# Altium PCB Copy of LB-word-PCB-bk.PcbDoc (part 1 of 4)
Units mm, origin at the board's own origin, x right, y up, seen from the top; angles counter-clockwise.
Board outline 400 x 70 mm, 4 copper layers (Top Layer, Signal Layer 1, Signal Layer 2, Bottom Layer), stack 0.778 mm thick; 409 components, 277 nets, 1589 pads, 784 vias.
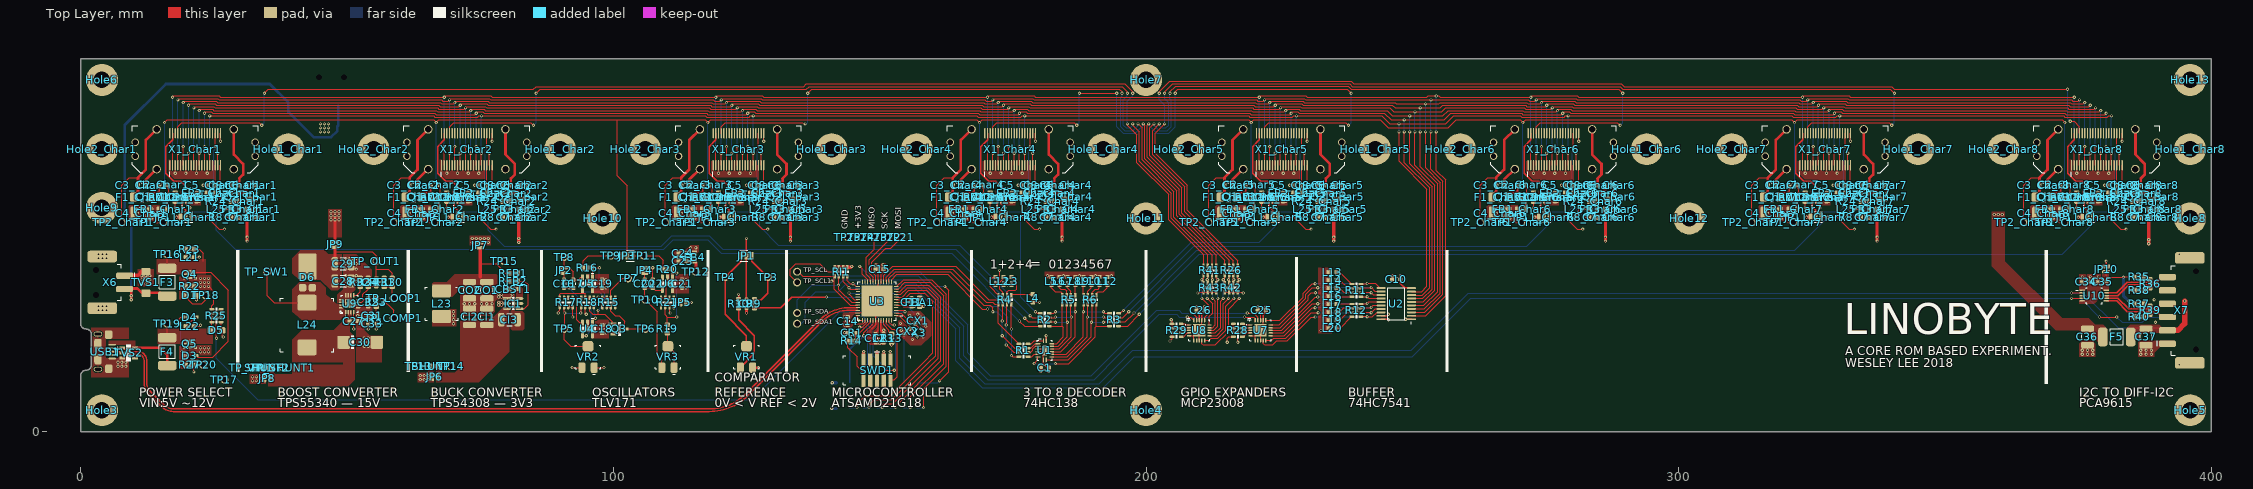
[diagram p0: Top Layer view]
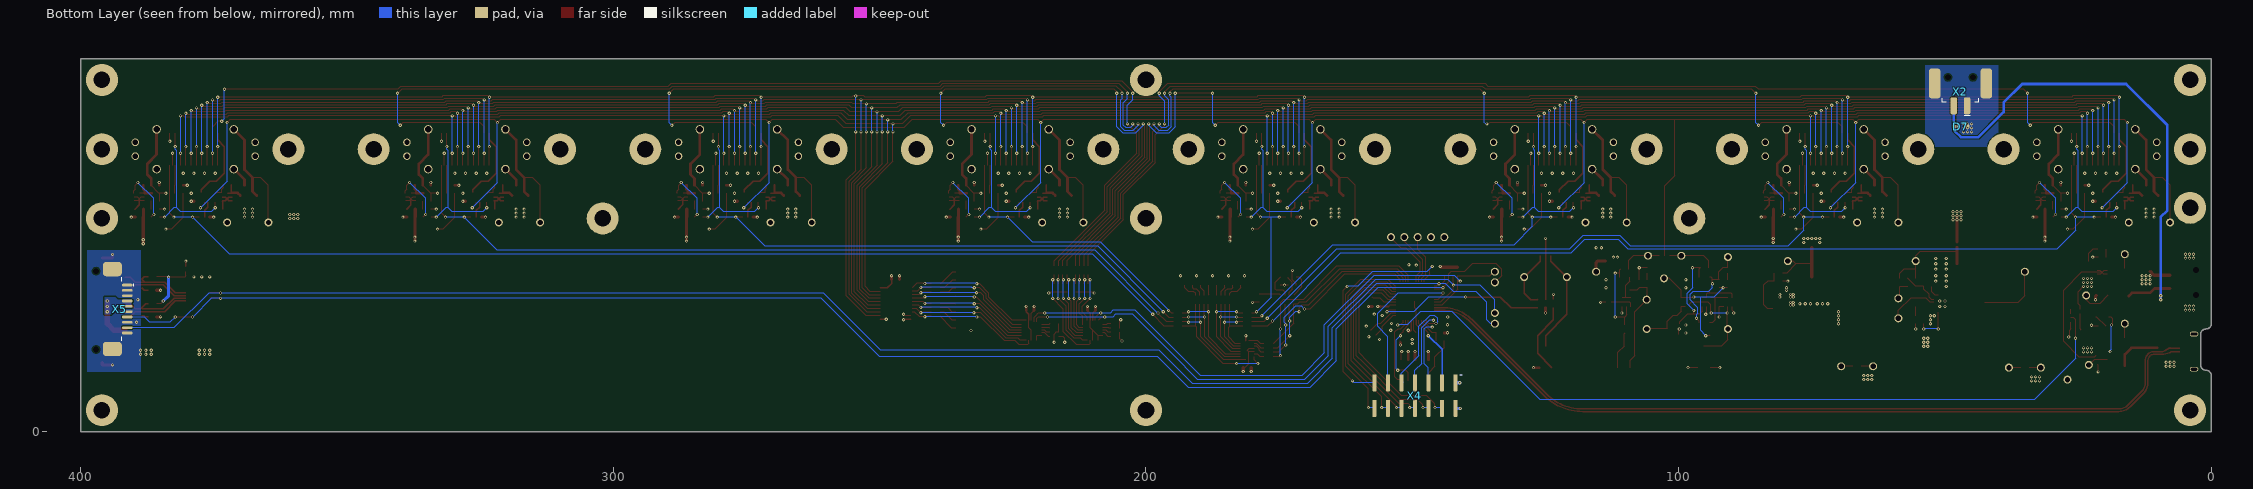
[diagram p1: Bottom Layer view, seen from below]
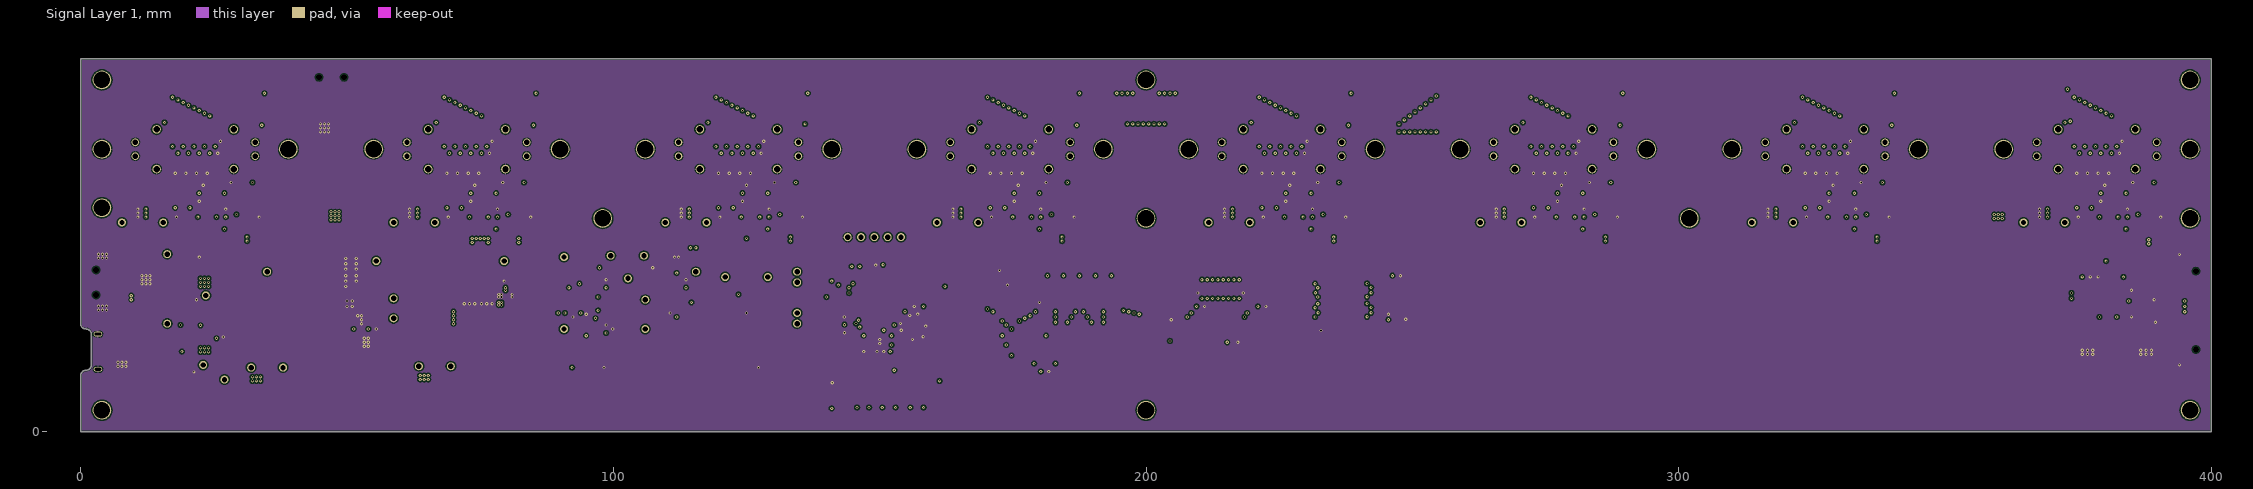
[diagram p2: Signal Layer 1]
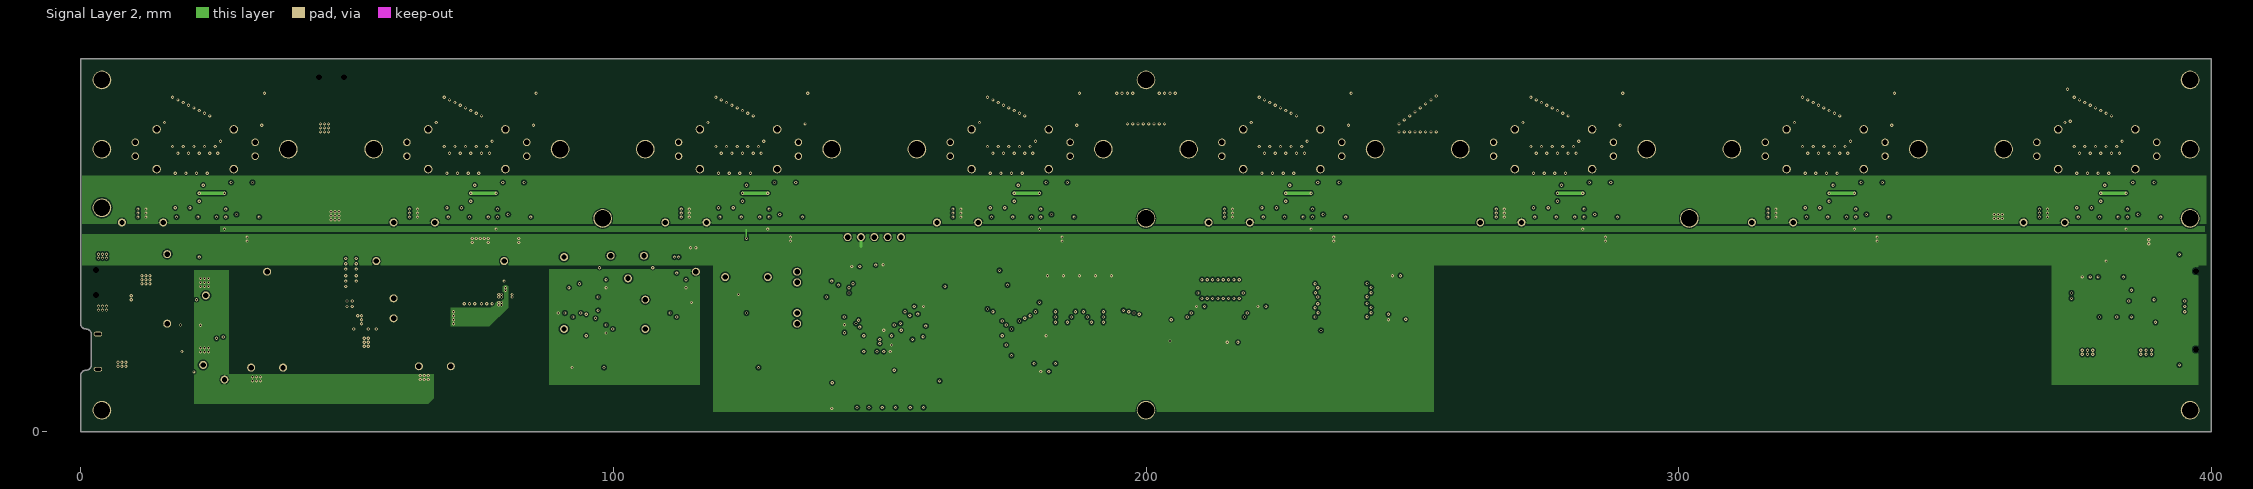
[diagram p3: Signal Layer 2]

## Layer stack, top to bottom
Top Solder: solder mask 0.0102, Solder Resist, Dk 3.5
Top Layer: signal copper 0.0356
Dielectric 1: core 0.254, FR-4, Dk 4.2
Signal Layer 1: signal copper 0.036
Dielectric 3: prepreg 0.127, Dk 4.2
Signal Layer 2: signal copper 0.036
Dielectric 2: core 0.254, Dk 4.2
Bottom Layer: signal copper 0.0356
Bottom Solder: solder mask 0.0102, Solder Resist, Dk 3.5

## Board outline
0,0 0,10.5 cw(c1,10.5) 1,11.5 ccw(c1,12.5) 2,12.5 2,18.25 ccw(c1,18.25) 1,19.25 cw(c1,20.25) 0,20.25 0,25.75 0,52.5 0,70 400,70 400,0

## Design rules (kind name [scope] priority, off if disabled: settings)
BoardOutlineClearance BoardOutlineClearance-Mid [OnLayer('Mid1') or OnLayer('Mid2')] p1: gap=0.5 ignorepadtopadclearanceinfootprint=FALSE
BoardOutlineClearance [All] p2: gap=0.25 ignorepadtopadclearanceinfootprint=FALSE except(0: Arc-SplitContinuation Track-SplitContinuation SMDPad-SplitContinuation THPad-SplitContinuation Via-SplitContinuation Fill-SplitContinuation Poly-SplitContinuation Region-SplitContinuation Text-SplitContinuation)
Clearance Clearance-xPP-xTP-xTT [All] p1: gap=0.15 ignorepadtopadclearanceinfootprint=FALSE except(0: Arc-Hole Track-Hole SMDPad-Hole THPad-Hole Via-Hole Fill-Hole Poly-Hole Region-Hole Text-Hole; 0.25: Arc-Fill Arc-Poly Arc-Region Track-Fill Track-Poly Track-Region SMDPad-Fill SMDPad-Poly SMDPad-Region THPad-Fill THPad-Poly THPad-Region Via-Fill Via-Poly Via-Region Fill-Fill Fill-Poly Fill-Region Poly-Poly Poly-Region Region-Region)
ComponentClearance [All] p1: gap=0.25 collisioncheckmode=3 verticalgap=0.25 showdistances=FALSE
DiffPairsRouting USB_DiffPairsRouting [InDifferentialPair ('USB') or InDifferentialPair ('DI') or InDifferentialPair ('DSCL') or InDifferentialPair ('DSDA')] p1: maxlimit=0.25 minlimit=0.25 mostfreqgap=0.25 toplayer_minwidth=0.25 toplayer_maxwidth=0.25 toplayer_prefwidth=0.25 midlayer1_minwidth=0.25 midlayer1_maxwidth=0.25 midlayer1_prefwidth=0.25 midlayer2_minwidth=0.25 midlayer2_maxwidth=0.25 midlayer2_prefwidth=0.25 bottomlayer_minwidth=0.25 bottomlayer_maxwidth=0.25 bottomlayer_prefwidth=0.25 maxuncoupledlength=12.7
DiffPairsRouting [All] p2: maxlimit=0.254 minlimit=0.254 mostfreqgap=0.254 toplayer_minwidth=0.381 toplayer_maxwidth=0.381 toplayer_prefwidth=0.381 midlayer1_minwidth=0.381 midlayer1_maxwidth=0.381 midlayer1_prefwidth=0.381 midlayer2_minwidth=0.381 midlayer2_maxwidth=0.381 midlayer2_prefwidth=0.381 bottomlayer_minwidth=0.381 bottomlayer_maxwidth=0.381 bottomlayer_prefwidth=0.381 maxuncoupledlength=12.7
Height [All] p1: minheight=0 maxheight=25 prefheight=12.5
HoleSize HoleSize-PTH [All] p1: absolutevalues=TRUE maxlimit=6 minlimit=0.25 maxpercent=80.000 minpercent=20.000
HoleToHoleClearance [All] p1: gap=0.35 allowstackedmicrovias=FALSE
MinimumAnnularRing "Minimum IAR  >0.45mm" [((ObjectKind = 'Pad') OR (ObjectKind = 'Via')) And (Layer = 'MultiLayer') And (HoleDiameter > AsMM(0.45))] p1: minimumring=0.175 // minimum inner annular ring for pads > 0.45mm finished hole size
MinimumAnnularRing "Minimum IAR <=0.45mm" [((ObjectKind = 'Pad') OR (ObjectKind = 'Via')) And (Layer = 'MultiLayer') And (HoleDiameter <= AsMM(0.45))] p2: minimumring=0.15 // minimum inner annular ring for pads <= 0.45mm finished hole size
MinimumSolderMaskSliver [All] p1: minsoldermaskwidth=0.08
PlaneClearance PlaneClearance-IPI [All] p1: clearance=0.3
PlaneConnect [All] p1: planeconnectstyle=Relief reliefexpansion=0.2 reliefentries=4 reliefconductorwidth=0.2 reliefairgap=0.2
PolygonConnect PolygonConnect-xTW [All] p1: thpad.connectstyle=Relief thpad.reliefconductorwidth=0.2 thpad.reliefentries=4 thpad.polygonreliefangle="90 Angle" thpad.airgapwidth=0.2 smdpad.connectstyle=Direct smdpad.reliefconductorwidth=0.2 smdpad.reliefentries=4 smdpad.polygonreliefangle="90 Angle" smdpad.airgapwidth=0.2 via.connectstyle=Direct via.reliefconductorwidth=0.2 via.reliefentries=4 via.polygonreliefangle="90 Angle" via.airgapwidth=0.2
RoomDefinition U_LB-word-oscillator [InComponentClass('U_LB-word-oscillator')] p1: confinementstyle=ConfineIn formatcopy=TRUE lockcomponents=FALSE outline 88.25,5.25 115.9,5.25 115.9,35.25 88.25,35.25
RoomDefinition U_LB-word-diffI2C [InComponentClass('U_LB-word-diffI2C')] p2: confinementstyle=ConfineIn formatcopy=TRUE lockcomponents=FALSE outline 371.25,11.5 400.25,11.5 400.25,34.25 371.25,34.25
RoomDefinition U_LB-word-PSU-24V [InComponentClass('U_LB-word-PSU-24V')] p3: confinementstyle=ConfineIn formatcopy=TRUE lockcomponents=FALSE outline 60.75,5.25 60.75,36.25 30.25,36.25 30.25,5.25
RoomDefinition U_LB-word-PSU-3V [InComponentClass('U_LB-word-PSU-3V')] p4: confinementstyle=ConfineIn formatcopy=TRUE lockcomponents=FALSE outline 62.5,5.25 84.75,5.25 84.75,36.25 62.5,36.25
RoomDefinition U_LB-word-powerOR [InComponentClass('U_LB-word-powerOR')] p5: confinementstyle=ConfineIn formatcopy=TRUE lockcomponents=FALSE outline -4,3 29.75,3 29.75,35.3 -4,35.3
RoomDefinition U_LB-word-MCU [InComponentClass('U_LB-word-MCU')] p6: confinementstyle=ConfineIn formatcopy=TRUE lockcomponents=FALSE outline 133,1.5 165.5,1.5 165.5,37.5 133,37.5
RoomDefinition U_LB-word-decoder [InComponentClass('U_LB-word-decoder')] p7: confinementstyle=ConfineIn formatcopy=TRUE lockcomponents=FALSE outline 169,10.5 199.7,10.5 199.7,32.25 169,32.25
RoomDefinition U_LB-word-charsBuffer [InComponentClass('U_LB-word-charsBuffer')] p8: confinementstyle=ConfineIn formatcopy=TRUE lockcomponents=FALSE outline 229.75,11.975 254.35,11.975 254.35,34.225 229.75,34.225
RoomDefinition Char8 [InComponentClass('Char8')] p9: confinementstyle=ConfineIn formatcopy=TRUE lockcomponents=FALSE outline 357.75,36.75 399.25,36.75 399.25,64 357.75,64
RoomDefinition Char7 [InComponentClass('Char7')] p10: confinementstyle=ConfineIn formatcopy=TRUE lockcomponents=FALSE outline 306.75,36.75 348.25,36.75 348.25,64 306.75,64
RoomDefinition Char6 [InComponentClass('Char6')] p11: confinementstyle=ConfineIn formatcopy=TRUE lockcomponents=FALSE outline 255.75,36.75 297.25,36.75 297.25,64 255.75,64
RoomDefinition Char5 [InComponentClass('Char5')] p12: confinementstyle=ConfineIn formatcopy=TRUE lockcomponents=FALSE outline 204.75,36.75 246.25,36.75 246.25,64 204.75,64
RoomDefinition Char4 [InComponentClass('Char4')] p13: confinementstyle=ConfineIn formatcopy=TRUE lockcomponents=FALSE outline 153.75,36.75 195.25,36.75 195.25,64 153.75,64
RoomDefinition Char3 [InComponentClass('Char3')] p14: confinementstyle=ConfineIn formatcopy=TRUE lockcomponents=FALSE outline 102.75,36.75 144.25,36.75 144.25,64 102.75,64
RoomDefinition Char2 [InComponentClass('Char2')] p15: confinementstyle=ConfineIn formatcopy=TRUE lockcomponents=FALSE outline 51.75,36.75 93.25,36.75 93.25,64 51.75,64
RoomDefinition Char1 [InComponentClass('Char1')] p16: confinementstyle=ConfineIn formatcopy=TRUE lockcomponents=FALSE outline 0.75,36.75 42.25,36.75 42.25,64 0.75,64
RoomDefinition U_LB-word-gpioExpanders [InComponentClass('U_LB-word-gpioExpanders')] p17: confinementstyle=ConfineIn formatcopy=TRUE lockcomponents=FALSE outline 200,12.5 226.5,12.5 226.5,32 200,32
RoutingCorners [All] p1: cornerstyle=45-Degree minsetback=2 maxsetback=2
RoutingVias "RoutingVias 0.3mm" [All] p1: holewidth=0.3 width=0.6 viastyle="Through Hole" minholewidth=0.3 minwidth=0.6 maxholewidth=0.5 maxwidth=0.8 // finishet hole size <= 0.45mm
SilkToSilkClearance [All] p1: silktosilkclearance=0.2
SilkToSolderMaskClearance SilkscreenOverComponentPads [IsPad] p1: minsilkscreentomaskgap=0.15 clearancetoexposedcopper=TRUE
SolderMaskExpansion "0.3mm Via" [(ObjectKind = 'Via') And (HoleDiameter = AsMM(0.3))] p1: expansion=-0.15 soldermaskfromhole=TRUE
SolderMaskExpansion [All] p2: expansion=0
UnRoutedNet [All] p1: checkbadconnections=TRUE
Width Width-xTW [All] p1: maxlimit=1.5 minlimit=0.15 preferedwidth=0.2
18 further rules are at their usual default settings.

## Classes and differential pairs
component class U_LB-word-diffI2C: C34 C35 C36 C37 F5 JP10 R35 R36 R37 R38 R39 R40 U10 X5 X7
net class BIT_MCP[0..7]: BIT_MCP0 BIT_MCP1 BIT_MCP2 BIT_MCP3 BIT_MCP4 BIT_MCP5 BIT_MCP6 BIT_MCP7 BIT_MCP8
net class Coil_Status[1..8]: Coil_Status1 Coil_Status2 Coil_Status3 Coil_Status4 Coil_Status5 Coil_Status6 Coil_Status7 Coil_Status8
component class U_LB-word-oscillator: C16 C17 C18 C19 C20 C21 C22 C23 C24 FB4 JP2 JP3 JP4 JP5 Q3 R15 R16 R17 R18 R19 R20 R21 TP5 TP6 TP7 TP8 TP9 TP10 TP11 TP12 U4 U5 U6 VR2 VR3
component class U_LB-word-MCU: C11 C12 C13 C14 C15 CR1 CX1 CX2 FBA1 R13 R14 RI1 SWD1 TP21 TP22 TP23 TP24 TP25 TP_SCL TP_SCL1 TP_SDA TP_SDA1 U3 X3 X4
component class U_LB-word-gpioExpanders: C25 C26 R26 R28 R29 R41 R42 R43 U7 U8
component class LB-word-topLevel: C9 D7 Hole3 Hole4 Hole5 Hole6 Hole7 Hole8 Hole9 Hole10 Hole11 Hole12 Hole13 JP1 R9 R10 TP3 TP4 VR1 X2
channel class LB-word-charInput: Char1 Char2 Char3 Char4 Char5 Char6 Char7 Char8
net class DECODER_A[0..2]: DECODER_A0 DECODER_A1 DECODER_A2
net class BYTE_EN[0..8]: BYTE_EN1 BYTE_EN2 BYTE_EN3 BYTE_EN4 BYTE_EN5 BYTE_EN6 BYTE_EN7 BYTE_EN8
net class BIT[0..7]: BIT0 BIT1 BIT2 BIT3 BIT4 BIT5 BIT6 BIT7
component class U_LB-word-PSU-24V: C27 C28 C29 C30 C31 C32 C33 CFF1 D6 JP8 JP9 L24 R30 R31 R32 R33 R34 SHUNT2 TP_COMP1 TP_LOOP1 TP_OUT1 TP_SHUNT1 TP_SW1 TP_VIN1 U9
component class U_LB-word-PSU-3V: CBST1 CI1 CI2 CI3 CO1 CO2 IC1 JP6 JP7 L23 RFB1 RFB2 SHUNT1 TP13 TP14 TP15
component class U_LB-word-powerOR: D1 D3 D4 D5 F3 F4 L21 L22 Q4 Q5 R22 R23 R25 R27 TP16 TP17 TP18 TP19 TP20 TVS1 TVS2 USB1 X6
component class U_LB-word-decoder: C1 L1 L2 L3 L4 L5 L6 L7 L8 L9 L10 L11 L12 R1 R2 R3 R4 R5 R6 U1
component class U_LB-word-charsBuffer: C10 L13 L14 L15 L16 L17 L18 L19 L20 R11 R12 U2
component class Char8: C2_Char8 C3_Char8 C4_Char8 C5_Char8 C6_Char8 C7_Char8 C8_Char8 C38_Char8 F1_Char8 F2_Char8 FB1_Char8 FB2_Char8 FB3_Char8 Hole1_Char8 Hole2_Char8 JP11_Char8 L25_Char8 Q1_Char8 Q2_Char8 R7_Char8 R8_Char8 R24_Char8 TP1_Char8 TP2_Char8 U11_Char8 X1_Char8
component class Char7: C2_Char7 C3_Char7 C4_Char7 C5_Char7 C6_Char7 C7_Char7 C8_Char7 C38_Char7 F1_Char7 F2_Char7 FB1_Char7 FB2_Char7 FB3_Char7 Hole1_Char7 Hole2_Char7 JP11_Char7 L25_Char7 Q1_Char7 Q2_Char7 R7_Char7 R8_Char7 R24_Char7 TP1_Char7 TP2_Char7 U11_Char7 X1_Char7
component class Char6: C2_Char6 C3_Char6 C4_Char6 C5_Char6 C6_Char6 C7_Char6 C8_Char6 C38_Char6 F1_Char6 F2_Char6 FB1_Char6 FB2_Char6 FB3_Char6 Hole1_Char6 Hole2_Char6 JP11_Char6 L25_Char6 Q1_Char6 Q2_Char6 R7_Char6 R8_Char6 R24_Char6 TP1_Char6 TP2_Char6 U11_Char6 X1_Char6
component class Char5: C2_Char5 C3_Char5 C4_Char5 C5_Char5 C6_Char5 C7_Char5 C8_Char5 C38_Char5 F1_Char5 F2_Char5 FB1_Char5 FB2_Char5 FB3_Char5 Hole1_Char5 Hole2_Char5 JP11_Char5 L25_Char5 Q1_Char5 Q2_Char5 R7_Char5 R8_Char5 R24_Char5 TP1_Char5 TP2_Char5 U11_Char5 X1_Char5
component class Char4: C2_Char4 C3_Char4 C4_Char4 C5_Char4 C6_Char4 C7_Char4 C8_Char4 C38_Char4 F1_Char4 F2_Char4 FB1_Char4 FB2_Char4 FB3_Char4 Hole1_Char4 Hole2_Char4 JP11_Char4 L25_Char4 Q1_Char4 Q2_Char4 R7_Char4 R8_Char4 R24_Char4 TP1_Char4 TP2_Char4 U11_Char4 X1_Char4
component class Char3: C2_Char3 C3_Char3 C4_Char3 C5_Char3 C6_Char3 C7_Char3 C8_Char3 C38_Char3 F1_Char3 F2_Char3 FB1_Char3 FB2_Char3 FB3_Char3 Hole1_Char3 Hole2_Char3 JP11_Char3 L25_Char3 Q1_Char3 Q2_Char3 R7_Char3 R8_Char3 R24_Char3 TP1_Char3 TP2_Char3 U11_Char3 X1_Char3
component class Char2: C2_Char2 C3_Char2 C4_Char2 C5_Char2 C6_Char2 C7_Char2 C8_Char2 C38_Char2 F1_Char2 F2_Char2 FB1_Char2 FB2_Char2 FB3_Char2 Hole1_Char2 Hole2_Char2 JP11_Char2 L25_Char2 Q1_Char2 Q2_Char2 R7_Char2 R8_Char2 R24_Char2 TP1_Char2 TP2_Char2 U11_Char2 X1_Char2
component class Char1: C2_Char1 C3_Char1 C4_Char1 C5_Char1 C6_Char1 C7_Char1 C8_Char1 C38_Char1 F1_Char1 F2_Char1 FB1_Char1 FB2_Char1 FB3_Char1 Hole1_Char1 Hole2_Char1 JP11_Char1 L25_Char1 Q1_Char1 Q2_Char1 R7_Char1 R8_Char1 R24_Char1 TP1_Char1 TP2_Char1 U11_Char1 X1_Char1
differential pair DSDA: +DSDA_P -DSDA_N
differential pair DSCL: +DSCL_P -DSCL_N
differential pair USB: +D_P -D_N

## Components (designator, comment, footprint, x,y, rotation, side; value= is the part's Value field where it differs from the comment)
C1 "100nF 50V" C0603_N 181,12 r0 top
C2_Char1 "100nF 50V" C0603_N 15.5,46.3 r0 top (schematic designator C2)
C2_Char2 "100nF 50V" C0603_N 66.5,46.3 r0 top (schematic designator C2)
C2_Char3 "100nF 50V" C0603_N 117.5,46.3 r0 top (schematic designator C2)
C2_Char4 "100nF 50V" C0603_N 168.5,46.3 r0 top (schematic designator C2)
C2_Char5 "100nF 50V" C0603_N 219.5,46.3 r0 top (schematic designator C2)
C2_Char6 "100nF 50V" C0603_N 270.5,46.3 r0 top (schematic designator C2)
C2_Char7 "100nF 50V" C0603_N 321.5,46.3 r0 top (schematic designator C2)
C2_Char8 "100nF 50V" C0603_N 372.5,46.3 r0 top (schematic designator C2)
C3_Char1 "100nF 50V" C0603_N 11.5,46.25 r0 top (schematic designator C3)
C3_Char2 "100nF 50V" C0603_N 62.5,46.25 r0 top (schematic designator C3)
C3_Char3 "100nF 50V" C0603_N 113.5,46.25 r0 top (schematic designator C3)
C3_Char4 "100nF 50V" C0603_N 164.5,46.25 r0 top (schematic designator C3)
C3_Char5 "100nF 50V" C0603_N 215.5,46.25 r0 top (schematic designator C3)
C3_Char6 "100nF 50V" C0603_N 266.5,46.25 r0 top (schematic designator C3)
C3_Char7 "100nF 50V" C0603_N 317.5,46.25 r0 top (schematic designator C3)
C3_Char8 "100nF 50V" C0603_N 368.5,46.25 r0 top (schematic designator C3)
C4_Char1 "10uF 50V" C1210_N 11.5,41 r180 top (schematic designator C4)
C4_Char2 "10uF 50V" C1210_N 62.5,41 r180 top (schematic designator C4)
C4_Char3 "10uF 50V" C1210_N 113.5,41 r180 top (schematic designator C4)
C4_Char4 "10uF 50V" C1210_N 164.5,41 r180 top (schematic designator C4)
C4_Char5 "10uF 50V" C1210_N 215.5,41 r180 top (schematic designator C4)
C4_Char6 "10uF 50V" C1210_N 266.5,41 r180 top (schematic designator C4)
C4_Char7 "10uF 50V" C1210_N 317.5,41 r180 top (schematic designator C4)
C4_Char8 "10uF 50V" C1210_N 368.5,41 r180 top (schematic designator C4)
C5_Char1 "100nF 50V" C0603_N 24.5,46.25 r180 top (schematic designator C5)
C5_Char2 "100nF 50V" C0603_N 75.5,46.25 r180 top (schematic designator C5)
C5_Char3 "100nF 50V" C0603_N 126.5,46.25 r180 top (schematic designator C5)
C5_Char4 "100nF 50V" C0603_N 177.5,46.25 r180 top (schematic designator C5)
C5_Char5 "100nF 50V" C0603_N 228.5,46.25 r180 top (schematic designator C5)
C5_Char6 "100nF 50V" C0603_N 279.5,46.25 r180 top (schematic designator C5)
C5_Char7 "100nF 50V" C0603_N 330.5,46.25 r180 top (schematic designator C5)
C5_Char8 "100nF 50V" C0603_N 381.5,46.25 r180 top (schematic designator C5)
C6_Char1 "100nF 50V" C0603_N 32,46.25 r0 top (schematic designator C6)
C6_Char2 "100nF 50V" C0603_N 83,46.25 r0 top (schematic designator C6)
C6_Char3 "100nF 50V" C0603_N 134,46.25 r0 top (schematic designator C6)
C6_Char4 "100nF 50V" C0603_N 185,46.25 r0 top (schematic designator C6)
C6_Char5 "100nF 50V" C0603_N 236,46.25 r0 top (schematic designator C6)
C6_Char6 "100nF 50V" C0603_N 287,46.25 r0 top (schematic designator C6)
C6_Char7 "100nF 50V" C0603_N 338,46.25 r0 top (schematic designator C6)
C6_Char8 "100nF 50V" C0603_N 389,46.25 r0 top (schematic designator C6)
C7_Char1 "100nF 50V" C0603_N 32,40.25 r0 top (schematic designator C7)
C7_Char2 "100nF 50V" C0603_N 83,40.25 r0 top (schematic designator C7)
C7_Char3 "100nF 50V" C0603_N 134,40.25 r0 top (schematic designator C7)
C7_Char4 "100nF 50V" C0603_N 185,40.25 r0 top (schematic designator C7)
C7_Char5 "100nF 50V" C0603_N 236,40.25 r0 top (schematic designator C7)
C7_Char6 "100nF 50V" C0603_N 287,40.25 r0 top (schematic designator C7)
C7_Char7 "100nF 50V" C0603_N 338,40.25 r0 top (schematic designator C7)
C7_Char8 "100nF 50V" C0603_N 389,40.25 r0 top (schematic designator C7)
C8_Char1 "100nF 50V" C0603_N 29,46.25 r180 top (schematic designator C8)
C8_Char2 "100nF 50V" C0603_N 80,46.25 r180 top (schematic designator C8)
C8_Char3 "100nF 50V" C0603_N 131,46.25 r180 top (schematic designator C8)
C8_Char4 "100nF 50V" C0603_N 182,46.25 r180 top (schematic designator C8)
C8_Char5 "100nF 50V" C0603_N 233,46.25 r180 top (schematic designator C8)
C8_Char6 "100nF 50V" C0603_N 284,46.25 r180 top (schematic designator C8)
C8_Char7 "100nF 50V" C0603_N 335,46.25 r180 top (schematic designator C8)
C8_Char8 "100nF 50V" C0603_N 386,46.25 r180 top (schematic designator C8)
C9 "100nF 50V" C0603_N 125,24 r270 top
C10 "100nF 50V" C0603_N 247,28.55 r0 top
C11 "100nF 50V" C0603_N 156,24.25 r270 top
C12 "1uF" C0603_N 149.25,17.5 r270 top
C13 "100nF 50V" C0603_N 150.75,17.5 r270 top
C14 "100nF 50V" C0603_N 144,20.75 r90 top
C15 "100nF 50V" C0603_N 150,30.5 r180 top
C16 "100nF 50V" C0603_N 90.75,27.75 r90 top
C17 "" C0603_N 92.5,27.75 r90 top
C18 "100nF 50V" C0603_N 97.9,19.25 r90 top
C19 "100nF 50V" C0603_N 97.9,27.75 r90 top
C20 "100nF 50V" C0603_N 105.9,27.75 r90 top
C21 "100nF 50V" C0603_N 112.9,27.75 r90 top
C22 "100pF" C0603_N 107.4,27.75 r90 top
C23 "100nF 50V" C0603_N 113,32 r180 top
C24 "100nF 50V" C0603_N 113,33.5 r180 top
C25 "100nF 50V" C0603_N 221.75,22.75 r0 top
C26 "100nF 50V" C0603_N 210.25,22.75 r0 top
C27 "100nF 50V" C0603_N 51.25,20.75 r0 top
C28 "10uF 50V" C1210_N 49.25,28.25 r0 top
C29 "10uF 50V" C1210_N 49.25,31.5 r0 top
C30 "T55D336M035C0100" "2917 - CASE D" 52.5,16.75 r0 top
C31 "" C0603_N 54.75,21.75 r180 top
C32 "" C0603_N 54,24.25 r270 top
C33 "100nF 50V" C0603_N 54.75,20.25 r0 top
C34 "100nF 50V" C0603_N 376.5,28.102 r0 top
C35 "100nF 50V" C0603_N 379.5,28.152 r180 top
C36 "10uF 50V" C1210_N 376.75,17.75 r270 top
C37 "10uF 50V" C1210_N 387.75,17.75 r270 top
C38_Char1 "100nF 50V" C0603_N 21.75,44 r270 top (schematic designator C38)
C38_Char2 "100nF 50V" C0603_N 72.75,44 r270 top (schematic designator C38)
C38_Char3 "100nF 50V" C0603_N 123.75,44 r270 top (schematic designator C38)
C38_Char4 "100nF 50V" C0603_N 174.75,44 r270 top (schematic designator C38)
C38_Char5 "100nF 50V" C0603_N 225.75,44 r270 top (schematic designator C38)
C38_Char6 "100nF 50V" C0603_N 276.75,44 r270 top (schematic designator C38)
C38_Char7 "100nF 50V" C0603_N 327.75,44 r270 top (schematic designator C38)
C38_Char8 "100nF 50V" C0603_N 378.75,44 r270 top (schematic designator C38)
CBST1 "100nF 50V" C0603_N 81.25,26.75 r180 top
CFF1 "" C0603_N 55.5,28 r270 top
CI1 "10uF 50V" C1210_N 76.25,21.527 r90 top
CI2 "10uF 50V" C1210_N 73,21.527 r90 top
CI3 "10uF 50V" C1210_N 80.5,21 r0 top
CO1 "22uF 10V" C1210_N 76.25,26.527 r270 top
CO2 "22uF 10V" C1210_N 73,26.527 r270 top
CR1 "100nF 50V" C0603_N 144.75,18.5 r180 top
CX1 "22pF" C0603_N 157.15,20.8 r45 top
CX2 "22pF" C0603_N 155.15,18.8 r225 top
D1 "MM3Z5V1ST1G" ? 20.5,25.55 r180 top
D3 "Schottky" SOD323F 20.5,14.25 r180 top
D4 "Schottky" SOD323F 20.5,21.5 r180 top
D5 "MM3Z3V3ST1G" "SOD323F-COMCHIP VARIANT" 25.5,19 r180 top
D6 "SBR5E60P5-13D" POWERDI5 42.58,29.856 r0 top
D7 "TVS" SOD323F 47,57.25 r0 bottom
F1_Char1 "PTC" C1206_N 11.5,44 r180 top (schematic designator F1)
F1_Char2 "PTC" C1206_N 62.5,44 r180 top (schematic designator F1)
F1_Char3 "PTC" C1206_N 113.5,44 r180 top (schematic designator F1)
F1_Char4 "PTC" C1206_N 164.5,44 r180 top (schematic designator F1)
F1_Char5 "PTC" C1206_N 215.5,44 r180 top (schematic designator F1)
F1_Char6 "PTC" C1206_N 266.5,44 r180 top (schematic designator F1)
F1_Char7 "PTC" C1206_N 317.5,44 r180 top (schematic designator F1)
F1_Char8 "PTC" C1206_N 368.5,44 r180 top (schematic designator F1)
F2_Char1 "PTC" PTC0603 29,44.75 r180 top (schematic designator F2)
F2_Char2 "PTC" PTC0603 80,44.75 r180 top (schematic designator F2)
F2_Char3 "PTC" PTC0603 131,44.75 r180 top (schematic designator F2)
F2_Char4 "PTC" PTC0603 182,44.75 r180 top (schematic designator F2)
F2_Char5 "PTC" PTC0603 233,44.75 r180 top (schematic designator F2)
F2_Char6 "PTC" PTC0603 284,44.75 r180 top (schematic designator F2)
F2_Char7 "PTC" PTC0603 335,44.75 r180 top (schematic designator F2)
F2_Char8 "PTC" PTC0603 386,44.75 r180 top (schematic designator F2)